# KiCad board RP2040-Breadstick.kicad_pcb (continued)
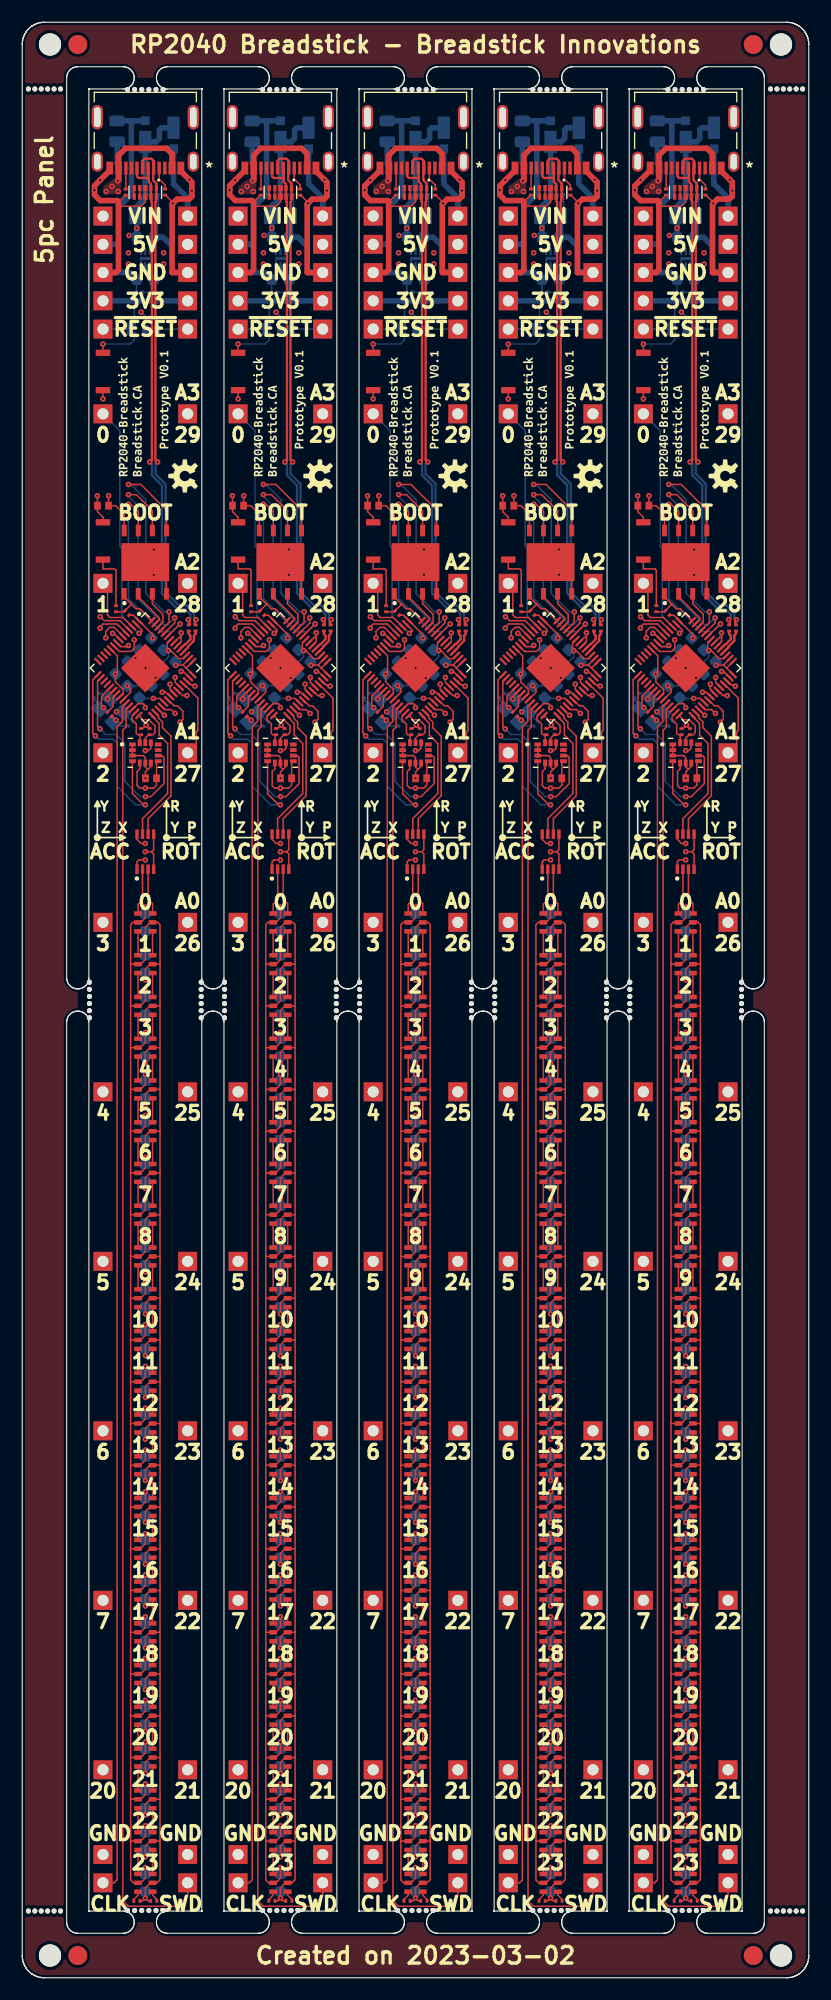
[diagram p0: board, top side]
## Routing (per net, layer and track width the routed paths; a pad name or vN(x,y) marks a point on that pad's centre or on a via; arc(x,y) is an arc through that point) (continued)
Board_0-/RP2040/MCU_USB_D+: length 2.1
  L1_SIG.Cu w0.2: U201#3.47 14.64,119.91 14.7,119.91
  L1_SIG.Cu w0.203: 14.7,119.91 15.14,120.35 15.14,120.68 14.99,120.83 R203#3.1
Board_0-/RP2040/MCU_USB_D-: length 2.3
  L1_SIG.Cu w0.2: U201#3.46 14.93,119.63 14.93,119.68
  L1_SIG.Cu w0.203: 14.93,119.68 15.46,120.21 15.46,120.68 15.6,120.83 R202#4.1
Board_0-/RP2040/USB_D+: length 45.2
  L1_SIG.Cu w0.203: 11.38,161.77 11.32,161.83 10.48,161.83 10.33,161.98 J221.B6 ; 11.38,161.77 11.38,162.67 J221.A6 ; 11.38,161.77 11.38,161.49 11.58,161.29 U202#4.2 U202#4.9 11.62,160.11 11.62,159.7 11.67,159.64 11.67,136.48 v1(11.48,136.29) ; R203#3.2 15.06,121.71 15.06,122 v1(14.95,122.12)
  L8_SIG.Cu w0.203: v1(14.95,122.12) 15.14,122.31 15.14,122.6 14.68,123.05 13.99,123.05 12.57,124.47 12.57,134.19 11.67,135.09 11.67,136.1 v1(11.48,136.29)
Board_0-/RP2040/USB_D-: length 45.9
  L1_SIG.Cu w0.203: v1(15.65,122.12) 15.53,122 15.53,121.71 R202#4.2 ; J221.A7 10.83,163.38 11.01,163.56 11.63,163.56 11.83,163.36 J221.B7 11.78,162.67 11.78,161.63 12.08,161.33 U202#4.1 U202#4.10 12.04,160.11 12.04,159.7 11.99,159.64 11.99,136.48 v1(12.18,136.29)
  L8_SIG.Cu w0.203: v1(15.65,122.12) 15.46,122.31 15.46,122.73 14.82,123.37 14.13,123.37 12.89,124.61 12.89,134.33 11.99,135.23 11.99,136.1 v1(12.18,136.29)
Board_0-/RP2040/~{RESET}: length 49.9
  L1_SIG.Cu w0.127: U201#3.26 10.43,114.56 10.9,114.56 11.08,114.38 v1(11.08,114.2)
  L3_SIG.Cu w0.127: 10.44,148.24 10.44,121.77 11.13,121.09 11.13,118.52 11.71,117.94 11.71,117.49 11.31,117.09 11.31,114.43 v1(11.08,114.2)
  L3_SIG.Cu w0.5: J201#5.1 J222#3.1
  L8_SIG.Cu w0.127: C207#4.1 J201#5.1 ; 9.53,148.22 9.51,148.24 J222#3.1 ; 9.53,148.22 R211.2 ; 9.53,148.22 R208#3.2
Board_0-GND: length 241.1
  L1_SIG.Cu w0.127: 11.64,101.25 11.83,101.44 IC301#5.5 ; 11.64,101.25 v1(11.08,101.25) ; 11.64,101.25 11.83,101.06 IC301#5.4 ; U202#4.3 U202#4.8 11.08,159.67 10.7,159.29 8.67,159.29 ; 12.4,12.3 12.39,12.29 LED323.2 11.53,12.29 11.08,11.84 v1(11.08,10.88) ; 12.4,12.3 12.4,8.82 12.12,8.54 LED324#3.2 11.53,8.54 11.08,8.08 v1(11.08,7.17) ; 12.4,12.3 12.4,16.06 ; v1(11.08,7.17) 10.83,6.91 R304#2.2 ; v1(11.08,7.17) 11.33,6.91 R305#2.2 ; 12.4,38.61 12.4,34.8 ; 12.4,38.61 12.36,38.57 LED316#2.2 11.5,38.57 11.08,38.16 v1(11.08,37.19) ; 12.4,38.61 12.4,42.37 ; 12.4,34.8 12.4,31.1 ; 12.4,34.8 12.39,34.82 LED317#4.2 11.5,34.82 11.08,34.4 v1(11.08,33.43) ; 11.33,108.67 11.28,108.67 11.08,108.87 U401.6 11.08,109.71 10.9,109.89 U401.3 U401.2 U401.1 ; 11.33,108.67 11.09,108.42 v1(11.09,107.86) C401#3.2 ; 11.33,108.67 11.58,108.91 U401.7 ; 12.4,49.79 12.4,46.08 ; 12.4,49.79 12.4,53.6 ; 12.4,49.79 12.35,49.84 LED313#4.2 11.53,49.84 11.08,49.38 v1(11.08,48.42) ; 12.4,46.08 LED314#4.2 11.49,46.08 11.08,45.67 v1(11.08,44.71) ; 12.4,46.08 12.4,42.37 ; v1(13.56,159.55) 13.56,159.63 12.9,160.28 R207#3.2 ; 12.4,27.34 12.4,23.58 ; 12.4,27.34 12.4,31.1 ; 12.4,27.34 12.37,27.31 LED319.2 11.51,27.31 11.08,26.88 v1(11.08,25.91) ; 12.4,23.58 12.38,23.55 LED320#5.2 11.51,23.55 11.08,23.12 v1(11.08,22.15) ; 12.4,23.58 12.4,19.77 ; U203#2.4 12.98,127.29 v1(11.84,128.43) ; 12.4,16.06 12.39,16.04 LED322#4.2 11.52,16.04 11.08,15.6 v1(11.08,14.64) ; 12.4,16.06 12.4,19.77 ; v1(11.84,126.14) 11.84,126.52 U203#2.9 ; v1(11.08,89.72) 11.08,90.68 11.54,91.14 LED302#3.2 12.4,91.14 ; v1(11.08,78.49) 11.08,79.46 11.5,79.88 LED305.2 12.39,79.88 12.4,79.86 ; v1(11.08,59.7) 11.08,60.66 11.52,61.1 LED310#3.2 12.38,61.1 12.4,61.12 ; 12.4,53.6 12.39,53.59 LED312#5.2 11.53,53.59 11.08,53.14 v1(11.08,52.18) ; 12.4,53.6 12.4,57.36 ; 12.4,87.38 12.4,83.62 ; 12.4,87.38 12.4,91.14 ; 12.4,87.38 12.4,87.39 LED303.2 11.49,87.39 11.08,86.98 v1(11.08,86.01) ; 12.4,83.62 12.39,83.63 LED304#4.2 11.49,83.63 11.08,83.22 v1(11.08,82.25) ; 12.4,83.62 12.4,79.86 ; 12.4,91.14 12.4,94.7 12.2,94.9 LED301#3.2 11.53,94.9 11.08,94.44 v1(11.08,93.53) ; 12.4,76.1 12.38,76.12 LED306#3.2 11.5,76.12 11.08,75.7 v1(11.08,74.73) ; 12.4,76.1 12.4,79.86 ; 12.4,76.1 12.4,72.34 ; 12.4,64.83 12.4,61.12 ; 12.4,64.83 12.37,64.86 LED309#3.2 11.52,64.86 11.08,64.42 v1(11.08,63.45) ; 12.4,64.83 12.4,68.59 ; 12.4,61.12 12.4,57.36 ; 12.4,68.59 12.37,68.61 LED308#2.2 11.51,68.61 11.08,68.18 v1(11.08,67.21) ; 12.4,68.59 12.4,72.34 ; 12.4,19.77 12.37,19.8 LED321#3.2 11.52,19.8 11.08,19.36 v1(11.08,18.4) ; 12.4,31.1 12.37,31.06 LED318#2.2 11.51,31.06 11.08,30.64 v1(11.08,29.67) ; 12.4,42.37 12.36,42.33 LED315#5.2 11.49,42.33 11.08,41.92 v1(11.08,40.95) ; v1(7.32,114.2) 7.14,114.38 7.14,115.24 U201#3.19 ; v1(11.08,70.97) 11.08,71.94 11.51,72.37 LED307.2 12.38,72.37 12.4,72.34 ; 12.4,57.36 12.39,57.35 LED311.2 11.53,57.35 11.08,56.9 v1(11.08,55.94) ; R206.2 9.28,160.28 8.68,159.68 8.65,159.68 ; v1(6.76,133.25) 6.77,133.25 C216#4.2 6.77,131.82 7.27,131.32 SW201#3.1 ; SW202#4.1 v1(7.27,141.97)
  L1_SIG.Cu w0.5: J221.A1/B12 14.28,162.44 v1(15.04,161.68) 15.27,161.45 v1(15.27,160.69) 15.27,160.18 15.02,159.92 13.94,159.92 v1(13.56,159.55) 13.49,159.48 13.49,153.32 J506.1 ; J505#5.1 8.41,153.32 8.67,153.57 8.67,159.67 8.54,159.8 7.02,159.8 6.51,160.31 v1(6.51,160.74) 6.51,161.13 v1(7.01,161.63) 7.88,162.5 J221.B1/A12
  L3_SIG.Cu w0.5: J505#5.1 J506.1
  L8_SIG.Cu w0.127: v1(11.08,82.25) C306#3.2 ; v1(11.08,22.15) C322.2 ; v1(11.08,40.95) C317.2 ; U501#4.7 10.75,154.59 10.68,154.52 U501#4.3 ; v1(10.7,149.76) 11.09,149.38 C207#4.2 ; C309#3.2 11.08,71.58 v1(11.08,70.97) ; v1(11.08,86.01) C305.2 ; v1(11.08,18.4) C323#3.2 ; C201#3.2 6.49,114.88 6.97,114.41 ; v1(11.08,93.53) 11.08,94.13 ; C501#5.2 12.24,158.66 R501#5.1 ; v1(11.08,10.88) C325#4.2 ; v1(11.08,67.21) C310#5.2 ; v1(11.08,89.72) C304.2 ; v1(11.08,52.18) C314.2 ; v1(11.08,78.49) C307#5.2 ; C203#5.2 9.92,112.95 9.09,113.78 Y201#3.2 ; 10.3,151.54 10.3,152.68 C503#2.2 ; v1(11.08,74.73) 11.08,75.34 C308#5.2 ; v1(11.08,14.64) C324.2 ; v1(11.08,63.45) C311#2.2 ; v1(11.08,44.71) C316#2.2 ; v1(11.08,29.67) C320#3.2 ; v1(11.08,55.94) C313#4.2 ; v1(11.08,33.43) C319#5.2 ; v1(11.08,37.19) C318.2 ; v1(11.08,7.17) C326#5.2 ; v1(11.08,59.7) C312#3.2 ; v1(11.08,48.42) C315#2.2 ; v1(11.08,25.91) C321.2
  L8_SIG.Cu w0.203: C503#2.2 10.68,153.06 U501#4.3
  L8_SIG.Cu w0.5: C503#2.2 10.29,152.69 9.66,153.32 J505#5.1 ; C501#5.2 11.98,156.62 C502#4.2 12.68,156.5 13.49,155.68 13.49,153.62 13.8,153.32 J506.1
  vias: v1(8.48,113.83) v1(10.2,118.66) v1(11.09,117.77) v1(12.01,116.87)
Board_0-IMU_INT1: length 19.6
  L1_SIG.Cu w0.127: v1(11.08,105.47) 10.92,105.47 9.92,106.47 U401.4 ; v1(6.59,111.66) 6.35,111.9 6.35,116.71 U201#3.15
  L8_SIG.Cu w0.127: v1(6.59,111.66) 6.89,111.36 8.16,111.36 8.56,110.96 8.56,107.11 10.2,105.47 v1(11.08,105.47)
Board_0-IMU_INT2: length 18.5
  L1_SIG.Cu w0.127: U401.9 12.59,109.89 12.76,109.72 12.76,107.37 11.59,106.2 v1(11.09,106.2) ; U201#3.16 6.78,116.57 6.78,112.51 v1(6.99,112.3)
  L8_SIG.Cu w0.127: v1(11.09,106.2) 10.6,106.2 9.24,107.56 9.24,111.01 8.46,111.79 7.5,111.79 v1(6.99,112.3)
Board_0-IMU_SCL: length 3.9
  L1_SIG.Cu w0.127: U201#3.28 10.86,113.12 11.39,113.12 11.94,112.56 11.94,111.97 11.74,111.77 R210#5.1 11.39,111.77 11.08,111.46 U401.13
Board_0-IMU_SDA: length 3.4
  L1_SIG.Cu w0.127: U201#3.27 9.86,113.43 9.86,113.14 10.27,112.73 10.27,111.89 10.39,111.77 R209#5.1 10.59,111.66 10.59,111.06 U401.14
Board_0-LED_CLK: length 12.2
  L1_SIG.Cu w0.127: IC301#5.7 10.83,104.23 13.09,106.48 13.09,110.98 12.32,111.74 12.32,112.78 11.67,113.44 U201#3.29
Board_0-LED_DATA: length 12.4
  L1_SIG.Cu w0.127: IC301#5.6 11.33,104.22 13.39,106.28 13.39,111.64 12.63,112.4 12.63,112.91 12.27,113.26 12.27,113.45 U201#3.30
Board_0-Net-(C201-Pad1): length 2
  L1_SIG.Cu w0.127: U201#3.20 7.68,115.2 v1(7.68,114.99)
  L8_SIG.Cu w0.127: v1(7.68,114.99) 7.18,115.49 C201#3.1
Board_0-Net-(C203-Pad1): length 2.1
  L1_SIG.Cu w0.127: R201#4.1 8.39,113.08 v1(8.45,113.08)
  L8_SIG.Cu w0.127: C203#5.1 8.45,112.56 Y201#3.3
Board_0-Net-(J221-PadA5): length 2.1
  L1_SIG.Cu w0.127: R207#3.1 12.86,161.19 12.33,161.72 J221.A5
Board_0-Net-(J221-PadB5): length 1.9
  L1_SIG.Cu w0.127: J221.B5 9.33,160.86 R206.1
Board_0-Net-(LED301-Pad1): length 2.2
  L1_SIG.Cu w0.127: LED301#3.1 LED302#3.3
Board_0-Net-(LED301-Pad6): length 2.2
  L1_SIG.Cu w0.127: LED301#3.6 LED302#3.4
Board_0-Net-(LED302-Pad1): length 2.2
  L1_SIG.Cu w0.127: LED302#3.1 LED303.3
Board_0-Net-(LED302-Pad6): length 2.2
  L1_SIG.Cu w0.127: LED302#3.6 LED303.4
Board_0-Net-(LED303-Pad1): length 2.2
  L1_SIG.Cu w0.127: LED303.1 LED304#4.3
Board_0-Net-(LED303-Pad6): length 2.2
  L1_SIG.Cu w0.127: LED303.6 LED304#4.4
Board_0-Net-(LED304-Pad1): length 2.2
  L1_SIG.Cu w0.127: LED304#4.1 LED305.3
Board_0-Net-(LED304-Pad6): length 2.2
  L1_SIG.Cu w0.127: LED304#4.6 LED305.4
Board_0-Net-(LED305-Pad1): length 2.2
  L1_SIG.Cu w0.127: LED305.1 LED306#3.3
Board_0-Net-(LED305-Pad6): length 2.2
  L1_SIG.Cu w0.127: LED305.6 LED306#3.4
Board_0-Net-(LED306-Pad1): length 2.2
  L1_SIG.Cu w0.127: LED306#3.1 LED307.3
Board_0-Net-(LED306-Pad6): length 2.2
  L1_SIG.Cu w0.127: LED306#3.6 LED307.4
Board_0-Net-(LED307-Pad1): length 2.2
  L1_SIG.Cu w0.127: LED307.1 LED308#2.3
Board_0-Net-(LED307-Pad6): length 2.2
  L1_SIG.Cu w0.127: LED307.6 LED308#2.4
Board_0-Net-(LED308-Pad1): length 2.2
  L1_SIG.Cu w0.127: LED308#2.1 LED309#3.3
Board_0-Net-(LED308-Pad6): length 2.2
  L1_SIG.Cu w0.127: LED308#2.6 LED309#3.4
Board_0-Net-(LED309-Pad1): length 2.2
  L1_SIG.Cu w0.127: LED309#3.1 LED310#3.3
Board_0-Net-(LED309-Pad6): length 2.2
  L1_SIG.Cu w0.127: LED309#3.6 LED310#3.4
Board_0-Net-(LED310-Pad1): length 2.2
  L1_SIG.Cu w0.127: LED310#3.1 LED311.3
Board_0-Net-(LED310-Pad6): length 2.2
  L1_SIG.Cu w0.127: LED310#3.6 LED311.4
Board_0-Net-(LED311-Pad1): length 2.2
  L1_SIG.Cu w0.127: LED311.1 LED312#5.3
Board_0-Net-(LED311-Pad6): length 2.2
  L1_SIG.Cu w0.127: LED311.6 LED312#5.4
Board_0-Net-(LED312-Pad1): length 2.2
  L1_SIG.Cu w0.127: LED312#5.1 LED313#4.3
Board_0-Net-(LED312-Pad6): length 2.2
  L1_SIG.Cu w0.127: LED312#5.6 LED313#4.4
Board_0-Net-(LED313-Pad1): length 2.2
  L1_SIG.Cu w0.127: LED313#4.1 LED314#4.3
Board_0-Net-(LED313-Pad6): length 2.2
  L1_SIG.Cu w0.127: LED313#4.6 LED314#4.4
Board_0-Net-(LED314-Pad1): length 2.2
  L1_SIG.Cu w0.127: LED314#4.1 LED315#5.3
Board_0-Net-(LED314-Pad6): length 2.2
  L1_SIG.Cu w0.127: LED314#4.6 LED315#5.4
Board_0-Net-(LED315-Pad1): length 2.2
  L1_SIG.Cu w0.127: LED315#5.1 LED316#2.3
Board_0-Net-(LED315-Pad6): length 2.2
  L1_SIG.Cu w0.127: LED315#5.6 LED316#2.4
Board_0-Net-(LED316-Pad1): length 2.2
  L1_SIG.Cu w0.127: LED316#2.1 LED317#4.3
Board_0-Net-(LED316-Pad6): length 2.2
  L1_SIG.Cu w0.127: LED316#2.6 LED317#4.4
Board_0-Net-(LED317-Pad1): length 2.2
  L1_SIG.Cu w0.127: LED317#4.1 LED318#2.3
Board_0-Net-(LED317-Pad6): length 2.2
  L1_SIG.Cu w0.127: LED317#4.6 LED318#2.4
Board_0-Net-(LED318-Pad1): length 2.2
  L1_SIG.Cu w0.127: LED318#2.1 LED319.3
Board_0-Net-(LED318-Pad6): length 2.2
  L1_SIG.Cu w0.127: LED318#2.6 LED319.4
Board_0-Net-(LED319-Pad1): length 2.2
  L1_SIG.Cu w0.127: LED319.1 LED320#5.3
Board_0-Net-(LED319-Pad6): length 2.2
  L1_SIG.Cu w0.127: LED319.6 LED320#5.4
Board_0-Net-(LED320-Pad1): length 2.2
  L1_SIG.Cu w0.127: LED320#5.1 LED321#3.3
Board_0-Net-(LED320-Pad6): length 2.2
  L1_SIG.Cu w0.127: LED320#5.6 LED321#3.4
Board_0-Net-(LED321-Pad1): length 2.2
  L1_SIG.Cu w0.127: LED321#3.1 LED322#4.3
Board_0-Net-(LED321-Pad6): length 2.2
  L1_SIG.Cu w0.127: LED321#3.6 LED322#4.4
Board_0-Net-(LED322-Pad1): length 2.2
  L1_SIG.Cu w0.127: LED322#4.1 LED323.3
Board_0-Net-(LED322-Pad6): length 2.2
  L1_SIG.Cu w0.127: LED322#4.6 LED323.4
Board_0-Net-(LED323-Pad1): length 2.2
  L1_SIG.Cu w0.127: LED323.1 LED324#3.3
Board_0-Net-(LED323-Pad6): length 2.2
  L1_SIG.Cu w0.127: LED323.6 LED324#3.4
Board_0-Net-(LED324-Pad1): length 1
  L1_SIG.Cu w0.127: R305#2.1 12.12,7.05 11.73,7.43 LED324#3.1
Board_0-Net-(LED324-Pad6): length 1
  L1_SIG.Cu w0.127: LED324#3.6 10.43,7.43 10.04,7.05 R304#2.1
Board_0-Net-(R201-Pad2): length 2
  L1_SIG.Cu w0.127: U201#3.21 8.18,115.15 8.18,114.32 R201#4.2
Board_0-Net-(R204-Pad1): length 5.2
  L1_SIG.Cu w0.127: R204#4.1 8.44,126.55 8.31,126.68 7.27,126.68 SW201#3.2
Board_0-Net-(R211-Pad1): length 4.3
  L1_SIG.Cu w0.127: SW202#4.2 v1(7.27,146.89)
  L8_SIG.Cu w0.127: R211.1 10.08,147.27 9.71,146.89 v1(7.27,146.89)
Board_0-Net-(U202-Pad4): length 0.8
  L1_SIG.Cu w0.127: U202#4.4 U202#4.7
Board_0-Net-(U202-Pad5): length 0.8
  L1_SIG.Cu w0.127: U202#4.5 U202#4.6
Board_0-SWCLK: length 107.5
  L1_SIG.Cu w0.127: U201#3.24 9.02,114.29 9.02,112.95 8.54,112.46 8.54,8.79 8.29,8.54 J223.1
Board_0-SWD: length 115.3
  L1_SIG.Cu w0.127: J224#4.1 14.89,7.37 13.95,6.43 9.53,6.43 9.05,6.91 9.05,112.17 9.34,112.46 9.34,114.04 U201#3.25
Board_0-VBUS: length 12.5
  L1_SIG.Cu w0.5: J221.A4/B9 13.48,164 12.98,164.5 9.3,164.5 8.68,163.87 J221.B4/A9 8.68,161.66 v1(8.59,161.58)
  L8_SIG.Cu w0.5: v1(8.59,161.58) 8.67,161.65 8.67,163 8.54,163.12 F501.1
  vias: v1(7.55,160.61) v1(8.08,161.07) v1(8.64,160.61)
Board_0-VHI: length 174.3
  L1_SIG.Cu w0.127: 9.76,23.53 9.79,23.55 LED320#5.5 10.65,23.55 11.08,23.98 v1(11.08,24.95) ; 9.76,23.53 9.76,27.34 ; 9.76,23.53 9.76,19.77 ; v1(11.08,39.93) 11.08,39.02 10.63,38.57 LED316#2.5 9.8,38.57 9.76,38.61 ; v1(11.08,84.99) 11.08,84.08 10.63,83.63 LED304#4.5 9.77,83.63 9.76,83.62 ; 9.76,79.86 9.77,79.88 LED305.5 10.64,79.88 11.08,80.32 v1(11.08,81.23) ; 9.76,79.86 9.76,83.62 ; 9.76,79.86 9.76,76.1 ; 9.76,31.1 9.76,27.34 ; 9.76,31.1 9.79,31.06 LED318#2.5 10.64,31.06 11.08,31.5 v1(11.08,32.47) ; 9.76,31.1 9.76,34.8 ; 9.76,27.34 9.79,27.31 LED319.5 10.65,27.31 11.08,27.74 v1(11.08,28.71) ; v1(11.08,43.69) 11.08,42.78 10.63,42.33 LED315#5.5 9.8,42.33 9.76,42.37 ; 9.76,19.77 9.76,16.06 ; 9.76,19.77 9.79,19.8 LED321#3.5 10.66,19.8 11.08,20.22 v1(11.08,21.19) ; 9.76,16.06 9.77,16.04 LED322#4.5 10.66,16.04 11.08,16.46 v1(11.08,17.43) ; 9.76,16.06 9.76,12.3 ; 9.76,38.61 9.76,42.37 ; 9.76,38.61 9.76,34.8 ; 9.76,83.62 9.76,87.38 ; v1(11.08,62.49) 11.08,61.52 10.66,61.1 LED310#3.5 9.79,61.1 9.76,61.07 ; 9.76,91.14 9.76,87.38 ; 9.76,91.14 9.76,94.7 9.96,94.9 LED301#3.5 10.67,94.9 11.08,95.31 v1(11.08,96.27) ; 9.76,91.14 LED302#3.5 10.67,91.14 11.08,91.55 v1(11.08,92.51) ; 9.76,87.38 9.76,87.39 LED303.5 10.63,87.39 11.08,87.84 v1(11.08,88.75) ; 9.76,61.07 9.76,57.36 ; 9.76,61.07 9.76,64.88 ; 9.76,57.36 9.76,53.55 ; 9.76,57.36 9.77,57.35 LED311.5 10.66,57.35 11.08,57.77 v1(11.08,58.73) ; 9.76,68.64 9.78,68.61 LED308#2.5 10.65,68.61 11.08,69.04 v1(11.08,70.01) ; 9.76,68.64 9.76,72.34 ; 9.76,68.64 9.76,64.88 ; 9.76,12.3 9.76,8.79 10.02,8.54 LED324#3.5 10.67,8.54 11.08,8.95 v1(11.08,9.91) ; 9.76,12.3 9.77,12.29 LED323.5 10.66,12.29 11.08,12.71 v1(11.08,13.67) ; v1(11.08,100.51) 10.5,100.51 10.33,100.35 IC301#5.1 ; 9.76,53.55 9.8,53.59 LED312#5.5 10.67,53.59 11.08,54.01 v1(11.08,54.97) ; 9.76,53.55 9.76,49.84 ; 9.76,42.37 9.76,46.08 ; v1(11.08,66.25) 11.08,65.28 10.65,64.86 LED309#3.5 9.78,64.86 9.76,64.88 ; 9.76,46.08 LED314#4.5 10.62,46.08 11.08,46.54 v1(11.08,47.45) ; 9.76,46.08 9.76,49.84 ; v1(11.08,73.77) 11.08,72.8 10.64,72.37 LED307.5 9.78,72.37 9.76,72.34 ; 9.76,72.34 9.76,76.1 ; v1(11.08,77.53) 11.08,76.56 10.64,76.12 LED306#3.5 9.78,76.12 9.76,76.1 ; 9.76,49.84 9.76,49.84 LED313#4.5 10.67,49.84 11.08,50.25 v1(11.08,51.21) ; 9.76,34.8 9.77,34.82 LED317#4.5 10.64,34.82 11.08,35.26 v1(11.08,36.23)
  L8_SIG.Cu w0.127: v1(11.08,28.71) C321.1 ; v1(11.08,77.53) 11.08,76.92 C308#5.1 ; v1(11.08,88.75) C305.1 ; v1(11.08,54.97) C314.1 ; v1(11.08,9.91) C326#5.1 ; v1(11.08,70.01) C310#5.1 ; C309#3.1 11.08,73.16 v1(11.08,73.77) ; v1(11.08,32.47) C320#3.1 ; v1(11.08,62.49) C312#3.1 ; v1(11.08,58.73) C313#4.1 ; v1(11.08,96.27) C303#3.1 ; v1(11.08,84.99) C306#3.1 ; v1(11.08,17.43) C324.1 ; v1(11.08,21.19) C323#3.1 ; v1(11.08,51.21) C315#2.1 ; R501#5.2 11.21,160.31 11.08,160.43 ; v1(11.08,13.67) C325#4.1 ; v1(11.08,66.25) C311#2.1 ; v1(11.08,36.23) C319#5.1 ; v1(11.08,47.45) C316#2.1 ; v1(11.08,81.23) C307#5.1 ; v1(11.08,39.93) C318.1 ; v1(11.08,92.51) C304.1 ; v1(11.08,24.95) C322.1 ; v1(11.08,43.69) C317.1
  L8_SIG.Cu w0.5: D501#5.1 12.54,166.34 12.35,166.15 12.35,165.39 12.03,165.07 D502#2.1 11.08,160.05 10.18,159.15 C501#5.1 10.3,158.28 v1(10.3,157.31) C502#4.1
  vias: v1(9.61,156.66) v1(9.56,155.1) v1(9.56,154.08) v1(12.73,155.1) v1(12.73,154.08)
Board_0-VIN: length 14.2
  L3_SIG.Cu w0.5: J502.1 J501#3.1
  L8_SIG.Cu w0.5: J501#3.1 14.89,160.03 13.62,161.3 D501#5.2
Board_1-3V3_LDO: length 53.3
  L1_SIG.Cu w0.127: U401#5.8 24.25,109.24 C401#2.1 24.25,107.24 23.98,106.97 v1(23.24,106.97) 22.73,106.97 22.5,107.19 22.5,108.46 22.74,108.7 U401#5.5 ; 26.47,120.53 26.29,120.53 U201#5.49 ; 26.47,120.53 26.47,120.14 U201#5.48 ; 26.47,120.53 v1(26.47,120.94) ; U401#5.12 23.74,110.56 23.52,110.34 v1(23.24,110.34) ; R205#5.1 22.16,122.52 U201#5.1 23.9,120.78 v1(23.9,120.45) ; 26.92,117.76 26.66,118.01 26.61,118.01 ; 26.92,117.76 26.92,117.76 U201#5.43 ; 26.92,117.76 U201#5.42 ; U203.8 21.33,131.6 20.57,132.37 C216.1 19.93,133.25 v1(19.94,133.25) ; U201#5.10 20.73,118.86 20.73,117.4 v1(20.55,117.23) 20.55,116.52 21.25,115.82 21.25,115.49 U201#5.22 ; R210.2 23.62,112.33 v1(23.31,112.64) 22.99,112.32 R209#2.2 ; v1(23.24,101.99) 22.86,101.99 22.49,102.36 IC301#3.8 ; v1(23.96,115.03) 24.56,115.03 U201#5.33 ; 26.61,118.01 U201#5.44 ; 26.61,118.01 v1(25.98,118.01)
  L3_SIG.Cu w0.5: J508.1 J507#4.1
  L8_SIG.Cu w0.127: v1(20.55,117.23) 20.56,117.24 C210#2.1 ; v1(23.96,115.03) 22.76,115.03 C206#3.1 ; 22.22,150.78 22.24,150.76 22.24,148.62 ; C211#2.1 25.98,118.28 v1(25.98,118.01) ; R502#4.2 24,151.54
  L8_SIG.Cu w0.15: 23.64,153.33 24.02,152.95 C503#3.1
  L8_SIG.Cu w0.203: U501#3.2 23.24,153.47 23.39,153.33 23.64,153.33 U501#3.1
  L8_SIG.Cu w0.5: 23.9,150.78 J507#4.1 ; 23.9,150.78 J508.1 ; 23.9,150.78 24.03,150.91 24.03,152.67
Board_1-+1V1: length 10.2
  L1_SIG.Cu w0.127: U201#5.23 21.92,115.59 21.92,115.88 v1(21.62,116.18) ; U201#5.45 26.64,118.61 26.25,118.61 25.53,119.33 v1(25.32,119.33) 25.22,119.44 25.22,120.02 U201#5.50
  L8_SIG.Cu w0.127: v1(25.32,119.33) 25.32,118.76 22.74,116.18 v1(21.62,116.18)
Board_1-/Addressable RGB LEDs/CLK: length 4.1
  L1_SIG.Cu w0.127: IC301#3.2 22.99,96.94 22.59,96.54 LED301#5.4
Board_1-/Addressable RGB LEDs/DATA: length 4.1
  L1_SIG.Cu w0.127: IC301#3.3 23.49,96.99 23.89,96.59 LED301#5.3
Board_1-/RP2040/ADC0: length 26.2
  L1_SIG.Cu w0.127: U201#5.38 25.93,116.48 v1(25.93,116.92)
  L3_SIG.Cu w0.127: J220#4.1 27.05,107.85 25.93,108.97 25.93,111.27 27.52,111.27 27.96,111.71 27.96,115.02 26.06,116.92 v1(25.93,116.92)
Board_1-/RP2040/ADC1: length 7.1
  L1_SIG.Cu w0.127: J219#5.1 27.83,110.92 27.83,112.01 27.96,112.15 27.96,115.07 26.71,116.32 U201#5.39
Board_1-/RP2040/ADC2: length 12.9
  L1_SIG.Cu w0.127: U201#5.40 27,116.6 27.35,116.25 27.46,116.25 27.58,116.13 v1(27.71,116.13)
  L3_SIG.Cu w0.127: v1(27.71,116.13) 27.71,118.91 24.84,121.78 24.84,124.11 26.11,125.38 J218#5.1
Board_1-/RP2040/ADC3: length 26.9
  L1_SIG.Cu w0.127: U201#5.41 26.66,117.46 v1(26.47,117.46)
  L3_SIG.Cu w0.127: v1(26.47,117.46) 26.82,117.81 26.82,118.62 23.82,121.62 23.82,124.45 25.35,125.98 25.35,128.07 27.05,129.77 J217#3.1
Board_1-/RP2040/D0: length 22.3
  L1_SIG.Cu w0.127: v1(22.68,120.88) 22.76,120.88 22.94,121.06 22.94,121.18 U201#5.2
  L8_SIG.Cu w0.127: v1(22.68,120.88) 21.13,122.43 21.13,128.53 20.95,128.71 20.95,139.1 J205#2.1
Board_1-/RP2040/D1: length 5.7
  L1_SIG.Cu w0.127: J206#3.1 19.84,124.97 19.84,122.54 20.06,122.31 21.24,122.31 U201#5.3
Board_1-/RP2040/D2: length 16.5
  L1_SIG.Cu w0.127: U201#5.4 20.95,122.03 19.53,122.03 v1(19.18,122.38)
  L3_SIG.Cu w0.127: v1(19.18,122.38) 18.54,121.74 18.54,113.26 18.87,112.93 19.3,112.93 19.7,112.53 19.7,111.43 19.43,111.16 J207.1
Board_1-/RP2040/D3: length 30.6
  L1_SIG.Cu w0.127: v1(19.17,121.35) 19.17,121.46 19.43,121.72 20.69,121.72 U201#5.5
  L3_SIG.Cu w0.127: v1(19.17,121.35) 19.15,121.33 19.15,114.94 18.97,114.76 18.97,114.03 20.56,112.44 20.56,108.93 19.43,107.8 J208#4.1
Board_1-/RP2040/D4: length 44.8
  L1_SIG.Cu w0.127: U201#5.6 20.43,121.42 20.04,121.42 19.68,121.06 v1(19.68,120.48)
  L3_SIG.Cu w0.127: J209#2.1 19.43,92.33 20.56,93.46 20.56,108.2 21.02,108.66 21.02,112.5 21.18,112.66 21.18,114.39 19.68,115.89 v1(19.68,120.48)
Board_1-/RP2040/D5: length 59
  L1_SIG.Cu w0.127: v1(20.29,120.88) 20.4,120.88 U201#5.7
  L3_SIG.Cu w0.127: v1(20.29,120.88) 20.29,117.89 20.04,117.63 20.04,116.98 21.55,115.47 21.55,112.25 21.48,112.18 21.48,108.31 21.15,107.98 21.15,92.85 20.57,92.27 20.57,78.22 19.43,77.08 J210.1
Board_1-/RP2040/D6: length 73.9
  L1_SIG.Cu w0.127: v1(21.72,119.79) 21.61,119.69 21.03,119.69 U201#5.8
  L3_SIG.Cu w0.127: v1(21.72,119.79) 21.36,119.79 21.08,119.51 21.08,117.72 22.14,116.66 22.14,114.03 21.95,113.84 21.95,112.07 21.89,112.01 21.89,108.08 21.74,107.93 21.74,92.21 21.22,91.69 21.22,63.31 19.43,61.52 J211#4.1
Board_1-/RP2040/D7: length 91.4
  L1_SIG.Cu w0.127: v1(22.25,120.3) 22.25,119.54 21.97,119.26 20.89,119.26 U201#5.9
  L3_SIG.Cu w0.127: v1(22.25,120.3) 22.25,119.33 21.85,118.93 21.85,118.17 22.91,117.11 22.91,114.79 22.57,114.45 22.57,113.42 22.34,113.19 22.34,107.8 22.22,107.68 22.22,91.44 21.98,91.2 21.98,62.09 20.76,60.87 20.76,44.1 19.43,42.77 J212.1
Board_1-/RP2040/D20: length 98.8
  L1_SIG.Cu w0.127: v1(24.95,113.52) 24.93,113.52 U201#5.31
  L3_SIG.Cu w0.127: v1(24.95,113.52) 23.43,113.52 22.75,112.84 22.75,61.15 22.01,60.41 22.01,32.49 19.43,29.91 J204.1
Board_1-/RP2040/D21: length 99.2
  L1_SIG.Cu w0.127: U201#5.32 24.99,114.03 25.58,114.03 25.91,113.69 v1(25.92,113.69)
  L3_SIG.Cu w0.127: v1(25.92,113.69) 25.72,113.49 25.72,113.17 25.55,113 24.75,113 23.75,112 23.75,61.15 24.5,60.4 24.5,32.39 27.05,29.84 J203#2.1
Board_1-/RP2040/D22: length 84.5
  L1_SIG.Cu w0.127: v1(26.36,112.89) 26.62,113.15 26.62,113.88 26.13,114.37 25.83,114.37 25.29,114.91 U201#5.34
  L3_SIG.Cu w0.127: v1(26.36,112.89) 26.08,112.61 25.01,112.61 24.22,111.82 24.22,107.82 24.3,107.74 24.3,91.48 24.53,91.25 24.53,62.28 25.75,61.06 25.75,44.18 26.99,42.94 26.99,34 J213#5.1
Board_1-/RP2040/D23: length 71.1
  L1_SIG.Cu w0.127: U201#5.35 25.47,115.19 25.07,115.59 v1(24.76,115.59)
  L3_SIG.Cu w0.127: v1(24.76,115.59) 25.08,115.59 26.88,113.79 26.88,112.48 26.64,112.24 25.22,112.24 24.68,111.7 24.68,108.08 24.82,107.94 24.82,92.01 25.27,91.56 25.27,63.31 27.05,61.53 J214.1
Board_1-/RP2040/D24: length 56.2
  L1_SIG.Cu w0.127: U201#5.36 25.81,115.52 25.46,115.87 v1(25.46,116.31)
  L3_SIG.Cu w0.127: v1(25.46,116.31) 25.46,115.87 27.25,114.08 27.25,112.19 26.97,111.92 25.42,111.92 25.1,111.6 25.1,108.31 25.36,108.05 25.36,92.71 25.92,92.15 25.92,78.12 27.05,76.99 J215#2.1
Board_1-/RP2040/D25: length 39.4
  L1_SIG.Cu w0.127: v1(26.98,115.29) 26.61,115.29 26.14,115.76 U201#5.37
  L3_SIG.Cu w0.127: v1(26.98,115.29) 27.6,114.67 27.6,111.95 27.28,111.63 25.7,111.63 25.51,111.44 25.51,108.69 25.93,108.27 25.93,93.35 27.05,92.23 J202#3.1
Board_1-/RP2040/MCU_QSPI_CSN: length 5.4
  L1_SIG.Cu w0.127: 21.96,123.54 22.4,123.09 22.76,123.09 U201#5.56 ; 21.96,123.54 21.96,123.47 R205#5.2 21.31,122.82 R204.2 ; 21.96,123.54 21.33,124.16 U203.1
Board_1-/RP2040/MCU_QSPI_SCLK: length 20.6
  L1_SIG.Cu w0.127: v1(25.88,122.28) 25.88,121.82 U201#5.52 ; U203.6 23.88,131.91 22.43,133.36 v1(21.72,133.36)
  L8_SIG.Cu w0.127: v1(25.88,122.28) 25.22,121.62 24.97,121.62 22.58,124.01 22.58,132.34 21.72,133.2 v1(21.72,133.36)
Board_1-/RP2040/MCU_QSPI_SD0: length 21.5
  L1_SIG.Cu w0.127: U203.5 25.14,131.96 22.83,134.27 v1(21.72,134.27) ; v1(25.37,122.81) 25.37,121.87 U201#5.53
  L8_SIG.Cu w0.127: v1(21.72,134.27) 21.92,134.27 23.29,132.9 23.29,124.47 24.94,122.81 v1(25.37,122.81)
Board_1-/RP2040/MCU_QSPI_SD1: length 3.6
  L1_SIG.Cu w0.127: U201#5.55 24.51,122.14 24.51,122.26 22.61,124.16 U203.2
Board_1-/RP2040/MCU_QSPI_SD2: length 3.5
  L1_SIG.Cu w0.127: U203.3 23.88,123.55 24.82,122.6 24.82,121.89 U201#5.54
Board_1-/RP2040/MCU_QSPI_SD3: length 19.1
  L1_SIG.Cu w0.127: v1(21.72,132.49) 21.92,132.49 22.61,131.81 U203.7 ; v1(26.36,121.72) 26.35,121.72 U201#5.51
  L8_SIG.Cu w0.127: v1(26.36,121.72) 25.68,121.04 24.69,121.04 21.72,124.01 v1(21.72,132.49)
Board_1-/RP2040/MCU_USB_D+: length 2.1
  L1_SIG.Cu w0.2: U201#5.47 26.8,119.91 26.86,119.91
  L1_SIG.Cu w0.203: 26.86,119.91 27.3,120.35 27.3,120.68 27.15,120.83 R203#5.1
Board_1-/RP2040/MCU_USB_D-: length 2.3
  L1_SIG.Cu w0.2: U201#5.46 27.09,119.63 27.09,119.68
  L1_SIG.Cu w0.203: 27.09,119.68 27.62,120.21 27.62,120.68 27.76,120.83 R202#2.1
Board_1-/RP2040/USB_D+: length 45.2
  L1_SIG.Cu w0.203: 23.54,161.77 23.48,161.83 22.64,161.83 22.49,161.98 J221#2.B6 ; 23.54,161.77 23.54,162.67 J221#2.A6 ; 23.54,161.77 23.54,161.49 23.74,161.29 U202#2.2 U202#2.9 23.78,160.11 23.78,159.7 23.83,159.64 23.83,136.48 v1(23.64,136.29) ; R203#5.2 27.22,121.71 27.22,122 v1(27.11,122.12)
  L8_SIG.Cu w0.203: v1(27.11,122.12) 27.3,122.31 27.3,122.6 26.84,123.05 26.15,123.05 24.73,124.47 24.73,134.19 23.83,135.09 23.83,136.1 v1(23.64,136.29)
Board_1-/RP2040/USB_D-: length 45.9
  L1_SIG.Cu w0.203: v1(27.81,122.12) 27.69,122 27.69,121.71 R202#2.2 ; J221#2.A7 22.99,163.38 23.17,163.56 23.79,163.56 23.99,163.36 J221#2.B7 23.94,162.67 23.94,161.63 24.24,161.33 U202#2.1 U202#2.10 24.2,160.11 24.2,159.7 24.15,159.64 24.15,136.48 v1(24.34,136.29)